# KiCad board woodpecker.kicad_pcb (continued)
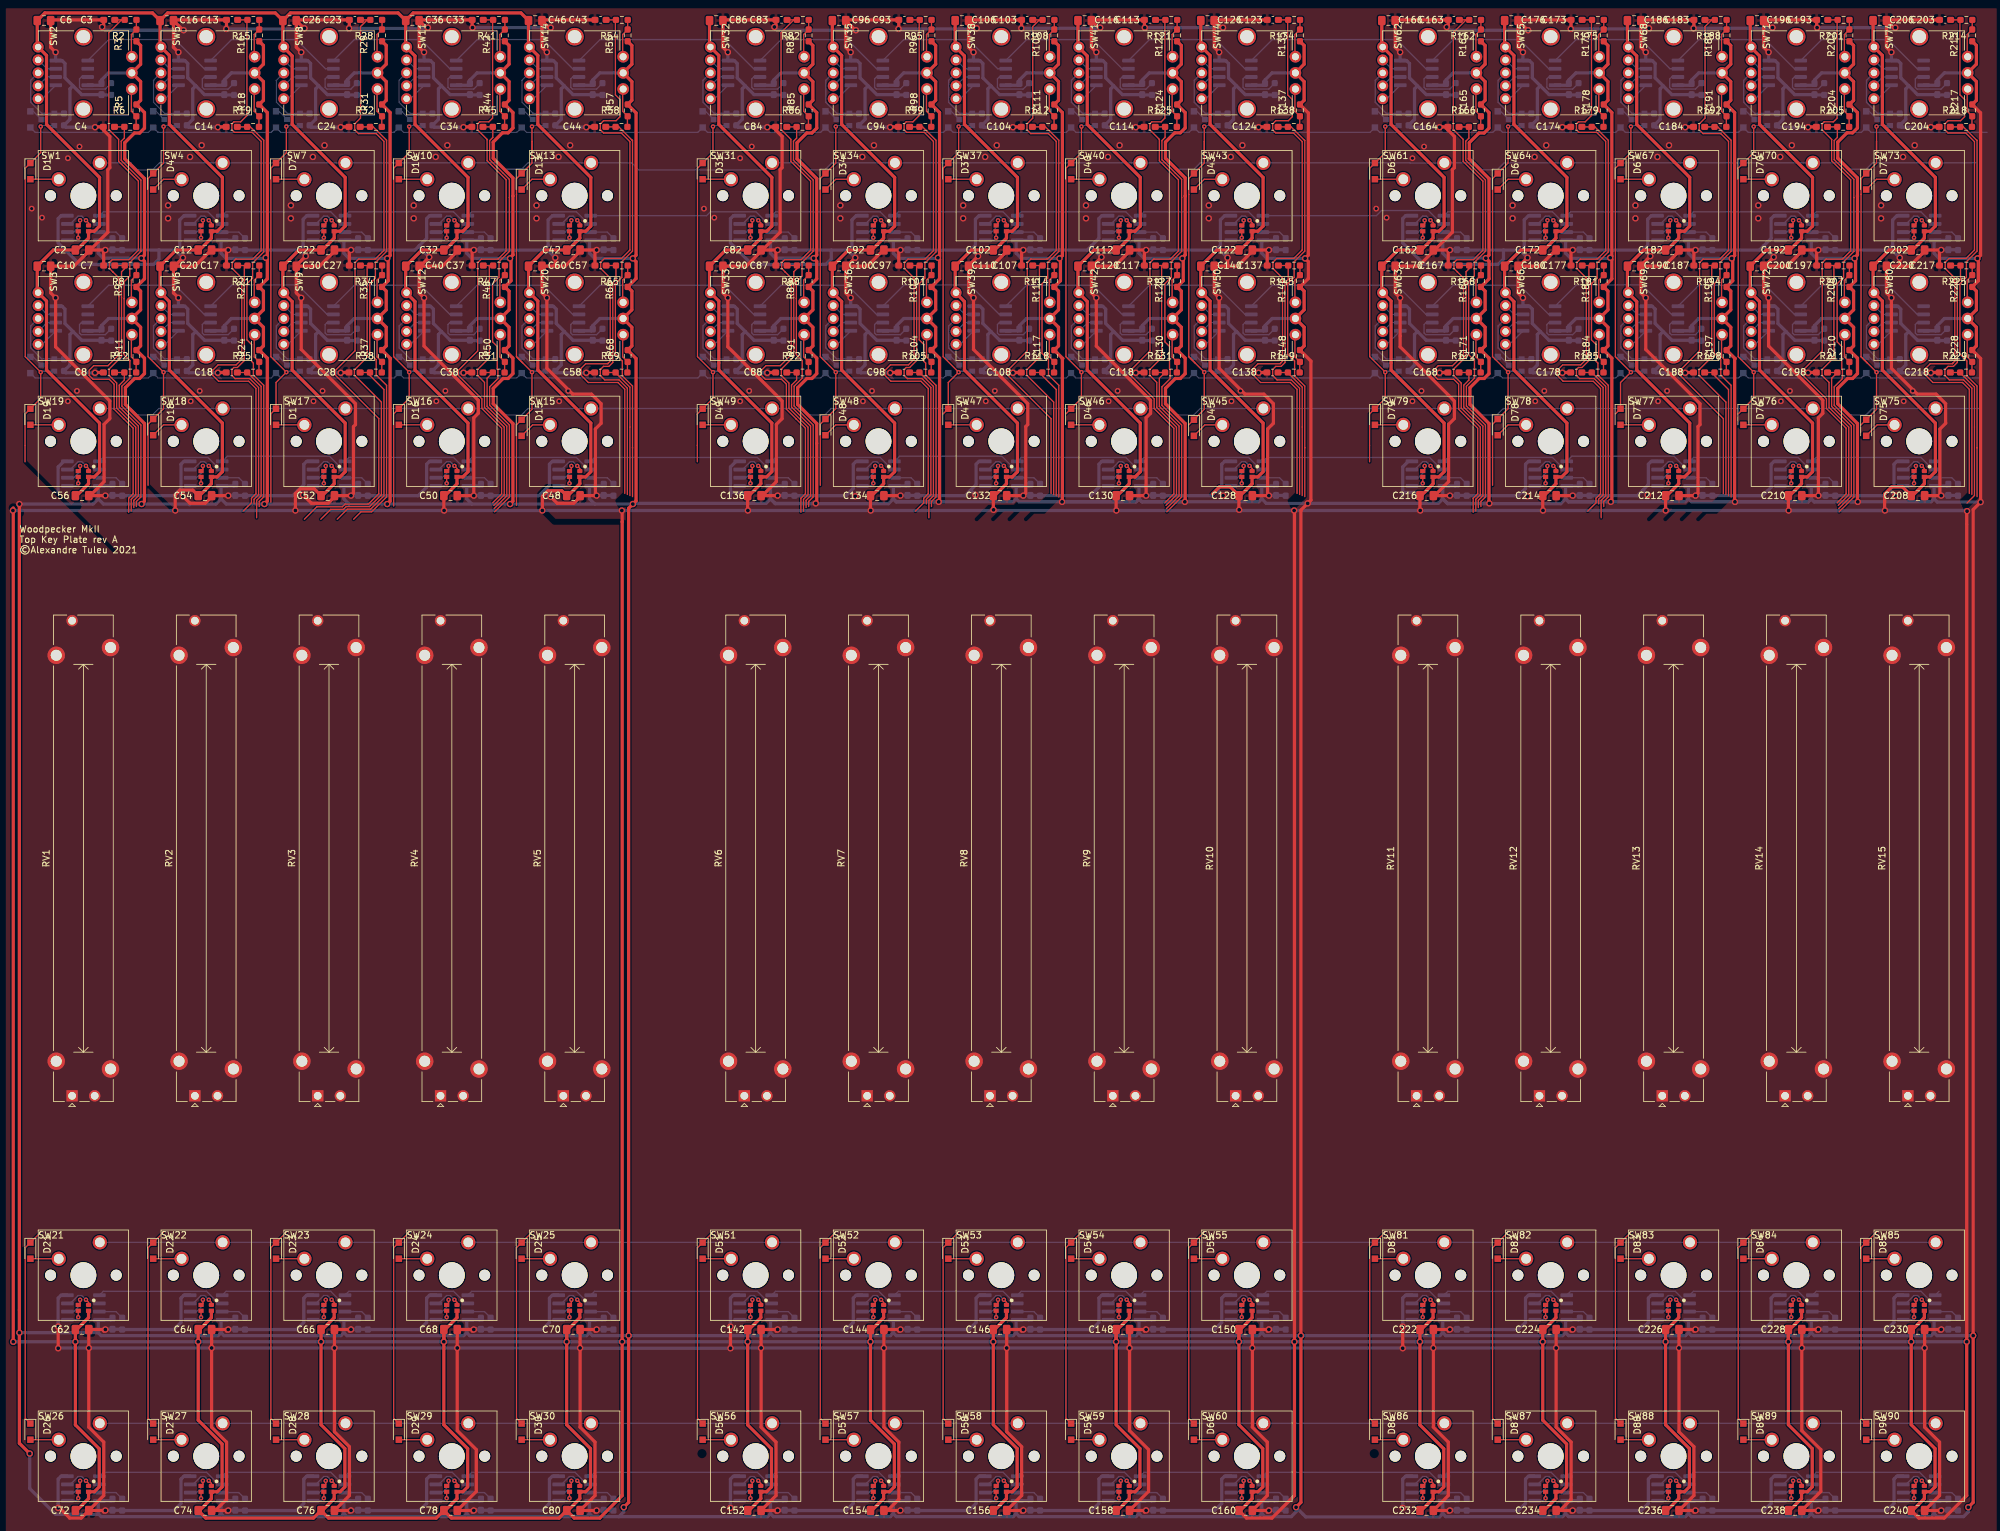
[diagram p0: board, top side]
## Routing (per net, layer and track width the routed paths; a pad name or vN(x,y) marks a point on that pad's centre or on a via; arc(x,y) is an arc through that point) (continued)
Net-(R14-Pad1): length 3.9
  Bottom w0.2: U4.7 32.25,197.77 R14.1
Net-(R15-Pad1): length 6.1
  Top w0.2: SW5.B 34.62,224.98 34.62,228.34 R16.2 35.4,230.59 R15.1
Net-(R17-Pad1): length 8.1
  Bottom w0.2: U5.7 26.9,221.77 26.6,221.46 26.6,220.16 26.86,219.89 30.58,219.89 R17.1
Net-(R18-Pad2): length 6.2
  Top w0.2: R19.2 35.36,215.65 R18.2 34.62,216.46 34.62,219.82 SW5.A
Net-(R21-Pad1): length 6.1
  Top w0.2: SW6.B 34.62,186.98 34.62,190.34 R22.2 35.4,192.59 R21.1
Net-(R23-Pad1): length 8.1
  Bottom w0.2: U6.7 26.9,183.76 26.6,183.46 26.6,182.16 26.86,181.89 30.58,181.89 R23.1
Net-(R24-Pad2): length 6.2
  Top w0.2: R25.2 35.36,177.65 R24.2 34.62,178.46 34.62,181.82 SW6.A
Net-(R27-Pad1): length 3.9
  Bottom w0.2: U7.7 51.25,197.77 R27.1
Net-(R28-Pad1): length 6.1
  Top w0.2: R28.1 54.4,230.59 R29.2 53.62,228.34 53.62,224.98 SW8.B
Net-(R30-Pad1): length 8.1
  Bottom w0.2: U8.7 45.9,221.77 45.6,221.46 45.6,220.16 45.86,219.89 49.58,219.89 R30.1
Net-(R31-Pad2): length 6.2
  Top w0.2: SW8.A 53.62,219.82 53.62,216.46 R31.2 54.36,215.65 R32.2
Net-(R34-Pad1): length 6.1
  Top w0.2: R34.1 54.4,192.59 R35.2 53.62,190.34 53.62,186.98 SW9.B
Net-(R36-Pad1): length 8.1
  Bottom w0.2: R36.1 49.58,181.89 45.86,181.89 45.6,182.16 45.6,183.46 45.9,183.76 U9.7
Net-(R37-Pad2): length 6.2
  Top w0.2: SW9.A 53.62,181.82 53.62,178.46 R37.2 54.36,177.65 R38.2
Net-(R40-Pad1): length 3.9
  Bottom w0.2: R40.1 70.25,197.77 U10.7
Net-(R41-Pad1): length 6.1
  Top w0.2: R41.1 73.4,230.59 R42.2 72.62,228.34 72.62,224.98 SW11.B
Net-(R43-Pad1): length 8.1
  Bottom w0.2: U11.7 64.9,221.77 64.6,221.46 64.6,220.16 64.86,219.89 68.58,219.89 R43.1
Net-(R44-Pad2): length 6.2
  Top w0.2: SW11.A 72.62,219.82 72.62,216.46 R44.2 73.36,215.65 R45.2
Net-(R47-Pad1): length 6.1
  Top w0.2: SW12.B 72.62,186.98 72.62,190.34 R48.2 73.4,192.59 R47.1
Net-(R49-Pad1): length 8.1
  Bottom w0.2: U12.7 64.9,183.76 64.6,183.46 64.6,182.16 64.86,181.89 68.58,181.89 R49.1
Net-(R50-Pad2): length 6.2
  Top w0.2: R51.2 73.36,177.65 R50.2 72.62,178.46 72.62,181.82 SW12.A
Net-(R53-Pad1): length 3.9
  Bottom w0.2: R53.1 89.25,197.77 U13.7
Net-(R54-Pad1): length 6.1
  Top w0.2: R54.1 92.4,230.59 R55.2 91.62,228.34 91.62,224.98 SW14.B
Net-(R56-Pad1): length 8.1
  Bottom w0.2: U14.7 83.9,221.77 83.6,221.46 83.6,220.16 83.86,219.89 87.58,219.89 R56.1
Net-(R57-Pad2): length 6.2
  Top w0.2: SW14.A 91.62,219.82 91.62,216.46 R57.2 92.36,215.65 R58.2
Net-(R60-Pad1): length 3.9
  Bottom w0.2: R60.1 89.25,159.76 U15.7
Net-(R61-Pad1): length 3.9
  Bottom w0.2: U16.7 70.25,159.76 R61.1
Net-(R62-Pad1): length 3.9
  Bottom w0.2: U17.7 51.25,159.76 R62.1
Net-(R63-Pad1): length 3.9
  Bottom w0.2: R63.1 32.25,159.76 U18.7
Net-(R64-Pad1): length 3.9
  Bottom w0.2: R64.1 13.25,159.76 U19.7
Net-(R65-Pad1): length 6.1
  Top w0.2: SW20.B 91.62,186.98 91.62,190.34 R66.2 92.4,192.59 R65.1
Net-(R67-Pad1): length 8.1
  Bottom w0.2: R67.1 87.58,181.89 83.86,181.89 83.6,182.16 83.6,183.46 83.9,183.76 U20.7
Net-(R68-Pad2): length 6.2
  Top w0.2: SW20.A 91.62,181.82 91.62,178.46 R68.2 92.36,177.65 R69.2
Net-(R71-Pad1): length 3.9
  Bottom w0.2: R71.1 13.25,30.77 U21.7
Net-(R72-Pad1): length 3.9
  Bottom w0.2: R72.1 32.25,30.77 U22.7
Net-(R73-Pad1): length 3.9
  Bottom w0.2: R73.1 51.25,30.77 U23.7
Net-(R74-Pad1): length 3.9
  Bottom w0.2: R74.1 70.25,30.77 U24.7
Net-(R75-Pad1): length 3.9
  Bottom w0.2: R75.1 89.25,30.77 U25.7
Net-(R76-Pad1): length 3.9
  Bottom w0.2: R76.1 13.25,2.77 U26.7
Net-(R77-Pad1): length 3.9
  Bottom w0.2: R77.1 32.25,2.77 U27.7
Net-(R78-Pad1): length 3.9
  Bottom w0.2: R78.1 51.25,2.77 U28.7
Net-(R79-Pad1): length 3.9
  Bottom w0.2: R79.1 70.25,2.77 U29.7
Net-(R80-Pad1): length 3.9
  Bottom w0.2: R80.1 89.25,2.77 U30.7
Net-(R81-Pad1): length 3.9
  Bottom w0.2: R81.1 117.25,197.77 U31.7
Net-(R82-Pad1): length 6.1
  Top w0.2: R82.1 120.4,230.59 R83.2 119.62,228.34 119.62,224.98 SW32.B
Net-(R84-Pad1): length 8.1
  Bottom w0.2: 112.88,221.77 111.9,221.77 111.6,221.46 111.6,220.16 111.86,219.89 115.58,219.89 R84.1
Net-(R85-Pad2): length 6.2
  Top w0.2: R86.2 120.36,215.65 R85.2 119.62,216.46 119.62,219.82 SW32.A
Net-(R88-Pad1): length 6.1
  Top w0.2: R88.1 120.4,192.59 R89.2 119.62,190.34 119.62,186.98 SW33.B
Net-(R90-Pad1): length 8.1
  Bottom w0.2: 112.88,183.76 111.9,183.76 111.6,183.46 111.6,182.16 111.86,181.89 115.58,181.89 R90.1
Net-(R91-Pad2): length 6.2
  Top w0.2: R92.2 120.36,177.65 R91.2 119.62,178.46 119.62,181.82 SW33.A
Net-(R94-Pad1): length 3.9
  Bottom w0.2: R94.1 136.25,197.77 U34.7
Net-(R95-Pad1): length 6.1
  Top w0.2: R95.1 139.4,230.59 R96.2 138.62,228.34 138.62,224.98 SW35.B
Net-(R97-Pad1): length 8.1
  Bottom w0.2: 131.88,221.77 130.9,221.77 130.6,221.46 130.6,220.16 130.86,219.89 134.58,219.89 R97.1
Net-(R98-Pad2): length 6.2
  Top w0.2: R99.2 139.36,215.65 R98.2 138.62,216.46 138.62,219.82 SW35.A
Net-(R101-Pad1): length 6.1
  Top w0.2: R101.1 139.4,192.59 R102.2 138.62,190.34 138.62,186.98 SW36.B
Net-(R103-Pad1): length 8.1
  Bottom w0.2: 131.88,183.76 130.9,183.76 130.6,183.46 130.6,182.16 130.86,181.89 134.58,181.89 R103.1
Net-(R104-Pad2): length 6.2
  Top w0.2: R105.2 139.36,177.65 R104.2 138.62,178.46 138.62,181.82 SW36.A
Net-(R107-Pad1): length 3.9
  Bottom w0.2: R107.1 155.25,197.77 U37.7
Net-(R108-Pad1): length 6.1
  Top w0.2: R108.1 158.4,230.59 R109.2 157.62,228.34 157.62,224.98 SW38.B
Net-(R110-Pad1): length 8.1
  Bottom w0.2: 150.88,221.77 149.9,221.77 149.6,221.46 149.6,220.16 149.86,219.89 153.58,219.89 R110.1
Net-(R111-Pad2): length 6.2
  Top w0.2: R112.2 158.36,215.65 R111.2 157.62,216.46 157.62,219.82 SW38.A
Net-(R114-Pad1): length 6.1
  Top w0.2: R114.1 158.4,192.59 R115.2 157.62,190.34 157.62,186.98 SW39.B
Net-(R116-Pad1): length 8.1
  Bottom w0.2: 150.88,183.76 149.9,183.76 149.6,183.46 149.6,182.16 149.86,181.89 153.58,181.89 R116.1
Net-(R117-Pad2): length 6.2
  Top w0.2: R118.2 158.36,177.65 R117.2 157.62,178.46 157.62,181.82 SW39.A
Net-(R120-Pad1): length 3.9
  Bottom w0.2: R120.1 174.25,197.77 U40.7
Net-(R121-Pad1): length 6.1
  Top w0.2: R121.1 177.4,230.59 R122.2 176.62,228.34 176.62,224.98 SW41.B
Net-(R123-Pad1): length 8.1
  Bottom w0.2: 169.88,221.77 168.9,221.77 168.6,221.46 168.6,220.16 168.86,219.89 172.58,219.89 R123.1
Net-(R124-Pad2): length 6.2
  Top w0.2: R125.2 177.36,215.65 R124.2 176.62,216.46 176.62,219.82 SW41.A
Net-(R127-Pad1): length 6.1
  Top w0.2: R127.1 177.4,192.59 R128.2 176.62,190.34 176.62,186.98 SW42.B
Net-(R129-Pad1): length 8.1
  Bottom w0.2: 169.88,183.76 168.9,183.76 168.6,183.46 168.6,182.16 168.86,181.89 172.58,181.89 R129.1
Net-(R130-Pad2): length 6.2
  Top w0.2: R131.2 177.36,177.65 R130.2 176.62,178.46 176.62,181.82 SW42.A
Net-(R133-Pad1): length 3.9
  Bottom w0.2: R133.1 193.25,197.77 U43.7
Net-(R134-Pad1): length 6.1
  Top w0.2: R134.1 196.4,230.59 R135.2 195.62,228.34 195.62,224.98 SW44.B
Net-(R136-Pad1): length 8.1
  Bottom w0.2: 188.88,221.77 187.9,221.77 187.6,221.46 187.6,220.16 187.86,219.89 191.58,219.89 R136.1
Net-(R137-Pad2): length 6.2
  Top w0.2: R138.2 196.36,215.65 R137.2 195.62,216.46 195.62,219.82 SW44.A
Net-(R140-Pad1): length 3.9
  Bottom w0.2: R140.1 193.25,159.76 U45.7
Net-(R141-Pad1): length 3.9
  Bottom w0.2: R141.1 174.25,159.76 U46.7
Net-(R142-Pad1): length 3.9
  Bottom w0.2: R142.1 155.25,159.76 U47.7
Net-(R143-Pad1): length 3.9
  Bottom w0.2: R143.1 136.25,159.76 U48.7
Net-(R144-Pad1): length 3.9
  Bottom w0.2: R144.1 117.25,159.76 U49.7
Net-(R145-Pad1): length 6.1
  Top w0.2: R145.1 196.4,192.59 R146.2 195.62,190.34 195.62,186.98 SW50.B
Net-(R147-Pad1): length 8.1
  Bottom w0.2: 188.88,183.76 187.9,183.76 187.6,183.46 187.6,182.16 187.86,181.89 191.58,181.89 R147.1
Net-(R148-Pad2): length 6.2
  Top w0.2: R149.2 196.36,177.65 R148.2 195.62,178.46 195.62,181.82 SW50.A
Net-(R151-Pad1): length 3.9
  Bottom w0.2: R151.1 117.25,30.77 U51.7
Net-(R152-Pad1): length 3.9
  Bottom w0.2: R152.1 136.25,30.77 U52.7
Net-(R153-Pad1): length 3.9
  Bottom w0.2: R153.1 155.25,30.77 U53.7
Net-(R154-Pad1): length 3.9
  Bottom w0.2: R154.1 174.25,30.77 U54.7
Net-(R155-Pad1): length 3.9
  Bottom w0.2: R155.1 193.25,30.77 U55.7
Net-(R156-Pad1): length 3.9
  Bottom w0.2: R156.1 117.25,2.77 U56.7
Net-(R157-Pad1): length 3.9
  Bottom w0.2: R157.1 136.25,2.77 U57.7
Net-(R158-Pad1): length 3.9
  Bottom w0.2: R158.1 155.25,2.77 U58.7
Net-(R159-Pad1): length 3.9
  Bottom w0.2: R159.1 174.25,2.77 U59.7
Net-(R160-Pad1): length 3.9
  Bottom w0.2: R160.1 193.25,2.77 U60.7
Net-(R161-Pad1): length 3.9
  Bottom w0.2: R161.1 221.25,197.77 U61.7
Net-(R162-Pad1): length 6.1
  Top w0.2: R162.1 224.4,230.59 R163.2 223.62,228.34 223.62,224.98 SW62.B
Net-(R164-Pad1): length 8.1
  Bottom w0.2: 216.88,221.77 215.9,221.77 215.6,221.46 215.6,220.16 215.86,219.89 219.58,219.89 R164.1
Net-(R165-Pad2): length 6.2
  Top w0.2: R166.2 224.36,215.65 R165.2 223.62,216.46 223.62,219.82 SW62.A
Net-(R168-Pad1): length 6.1
  Top w0.2: R168.1 224.4,192.59 R169.2 223.62,190.34 223.62,186.98 SW63.B
Net-(R170-Pad1): length 8.1
  Bottom w0.2: 216.88,183.76 215.9,183.76 215.6,183.46 215.6,182.16 215.86,181.89 219.58,181.89 R170.1
Net-(R171-Pad2): length 6.2
  Top w0.2: R172.2 224.36,177.65 R171.2 223.62,178.46 223.62,181.82 SW63.A
Net-(R174-Pad1): length 3.9
  Bottom w0.2: R174.1 240.25,197.77 U64.7
Net-(R175-Pad1): length 6.1
  Top w0.2: R175.1 243.4,230.59 R176.2 242.62,228.34 242.62,224.98 SW65.B
Net-(R177-Pad1): length 8.1
  Bottom w0.2: U65.7 234.9,221.77 234.6,221.46 234.6,220.16 234.86,219.89 238.58,219.89 R177.1
Net-(R178-Pad2): length 6.2
  Top w0.2: R179.2 243.36,215.65 R178.2 242.62,216.46 242.62,219.82 SW65.A
Net-(R181-Pad1): length 6.1
  Top w0.2: R181.1 243.4,192.59 R182.2 242.62,190.34 242.62,186.98 SW66.B
Net-(R183-Pad1): length 8.1
  Bottom w0.2: U66.7 234.9,183.76 234.6,183.46 234.6,182.16 234.86,181.89 238.58,181.89 R183.1
Net-(R184-Pad2): length 6.2
  Top w0.2: R185.2 243.36,177.65 R184.2 242.62,178.46 242.62,181.82 SW66.A
Net-(R187-Pad1): length 3.9
  Bottom w0.2: R187.1 259.25,197.77 U67.7
Net-(R188-Pad1): length 6.1
  Top w0.2: R188.1 262.4,230.59 R189.2 261.62,228.34 261.62,224.98 SW68.B
Net-(R190-Pad1): length 8.1
  Bottom w0.2: U68.7 253.9,221.77 253.6,221.46 253.6,220.16 253.86,219.89 257.58,219.89 R190.1
Net-(R191-Pad2): length 6.2
  Top w0.2: R192.2 262.36,215.65 R191.2 261.62,216.46 261.62,219.82 SW68.A
Net-(R194-Pad1): length 6.1
  Top w0.2: R194.1 262.4,192.59 R195.2 261.62,190.34 261.62,186.98 SW69.B
Net-(R196-Pad1): length 8.1
  Bottom w0.2: U69.7 253.9,183.76 253.6,183.46 253.6,182.16 253.86,181.89 257.58,181.89 R196.1
Net-(R197-Pad2): length 6.2
  Top w0.2: R198.2 262.36,177.65 R197.2 261.62,178.46 261.62,181.82 SW69.A
Net-(R200-Pad1): length 3.9
  Bottom w0.2: R200.1 278.25,197.77 U70.7
Net-(R201-Pad1): length 6.1
  Top w0.2: R201.1 281.4,230.59 R202.2 280.62,228.34 280.62,224.98 SW71.B
Net-(R203-Pad1): length 8.1
  Bottom w0.2: U71.7 272.9,221.77 272.6,221.46 272.6,220.16 272.86,219.89 276.58,219.89 R203.1
Net-(R204-Pad2): length 6.2
  Top w0.2: R205.2 281.36,215.65 R204.2 280.62,216.46 280.62,219.82 SW71.A
Net-(R207-Pad1): length 6.1
  Top w0.2: R207.1 281.4,192.59 R208.2 280.62,190.34 280.62,186.98 SW72.B
Net-(R209-Pad1): length 8.1
  Bottom w0.2: U72.7 272.9,183.76 272.6,183.46 272.6,182.16 272.86,181.89 276.58,181.89 R209.1
Net-(R210-Pad2): length 6.2
  Top w0.2: R211.2 281.36,177.65 R210.2 280.62,178.46 280.62,181.82 SW72.A
Net-(R213-Pad1): length 3.9
  Bottom w0.2: R213.1 297.25,197.77 U73.7
Net-(R214-Pad1): length 6.1
  Top w0.2: R214.1 300.4,230.59 R215.2 299.62,228.34 299.62,224.98 SW74.B
Net-(R216-Pad1): length 8.1
  Bottom w0.2: U74.7 291.9,221.77 291.6,221.46 291.6,220.16 291.86,219.89 295.58,219.89 R216.1
Net-(R217-Pad2): length 6.2
  Top w0.2: R218.2 300.36,215.65 R217.2 299.62,216.46 299.62,219.82 SW74.A
Net-(R220-Pad1): length 3.9
  Bottom w0.2: R220.1 297.25,159.76 U75.7
Net-(R221-Pad1): length 3.9
  Bottom w0.2: R221.1 278.25,159.76 U76.7
Net-(R222-Pad1): length 3.9
  Bottom w0.2: R222.1 259.25,159.76 U77.7
Net-(R223-Pad1): length 3.9
  Bottom w0.2: R223.1 240.25,159.76 U78.7
Net-(R224-Pad1): length 3.9
  Bottom w0.2: R224.1 221.25,159.76 U79.7
Net-(R225-Pad1): length 6.1
  Top w0.2: R225.1 300.4,192.59 R226.2 299.62,190.34 299.62,186.98 SW80.B
Net-(R227-Pad1): length 8.1
  Bottom w0.2: U80.7 291.9,183.76 291.6,183.46 291.6,182.16 291.86,181.89 295.58,181.89 R227.1
Net-(R228-Pad2): length 6.2
  Top w0.2: R229.2 300.36,177.65 R228.2 299.62,178.46 299.62,181.82 SW80.A
Net-(R231-Pad1): length 3.9
  Bottom w0.2: R231.1 221.25,30.77 U81.7
Net-(R232-Pad1): length 3.9
  Bottom w0.2: R232.1 240.25,30.77 U82.7
Net-(R233-Pad1): length 3.9
  Bottom w0.2: R233.1 259.25,30.77 U83.7
Net-(R234-Pad1): length 3.9
  Bottom w0.2: R234.1 278.25,30.77 U84.7
Net-(R235-Pad1): length 3.9
  Bottom w0.2: R235.1 297.25,30.77 U85.7
Net-(R236-Pad1): length 3.9
  Bottom w0.2: R236.1 221.25,2.77 U86.7
Net-(R237-Pad1): length 3.9
  Bottom w0.2: R237.1 240.25,2.77 U87.7
Net-(R238-Pad1): length 3.9
  Bottom w0.2: R238.1 259.25,2.77 U88.7
Net-(R239-Pad1): length 3.9
  Bottom w0.2: R239.1 278.25,2.77 U89.7
Net-(R240-Pad1): length 3.9
  Bottom w0.2: R240.1 297.25,2.77 U90.7
Net-(SW1-Pad1): length 4.6
  Top w0.2: v3(8.6,199.6) 9,199.2 SW1.1
  Bottom w0.2: U1.3 6.17,199.03 7.39,200.25 7.95,200.25 v3(8.6,199.6)
Net-(SW1-Pad2): length 4.1
  Top w0.2: SW1.2 7.69,199.09 v3(7.69,199.59)
  Bottom w0.2: U1.2 6.7,197.77 7.69,198.75 v3(7.69,199.59)
Net-(SW1-Pad4): length 2.8
  Top w0.2: v3(7.4,196.9) SW1.4
  Bottom w0.2: v3(7.4,196.9) 7,196.5 U1.1
Net-(SW2-Pad1): length 3.6
  Bottom w0.2: U2.1 1.83,218.4 SW2.1
Net-(SW2-Pad2): length 3.3
  Bottom w0.2: SW2.2 2.57,221.77 U2.2
Net-(SW2-Pad4): length 3.3
  Bottom w0.2: U2.3 2.57,223.03 SW2.4
Net-(SW3-Pad1): length 3.6
  Bottom w0.2: SW3.1 1.83,180.4 U3.1
Net-(SW3-Pad2): length 3.3
  Bottom w0.2: SW3.2 2.57,183.76 U3.2
Net-(SW3-Pad4): length 3.3
  Bottom w0.2: SW3.4 2.57,185.04 U3.3
Net-(SW4-Pad1): length 4.6
  Top w0.2: v3(27.6,199.6) 28,199.2 SW4.1
  Bottom w0.2: v3(27.6,199.6) 26.95,200.25 26.39,200.25 25.17,199.03 U4.3
Net-(SW4-Pad2): length 4.1
  Top w0.2: SW4.2 26.69,199.09 v3(26.69,199.59)
  Bottom w0.2: v3(26.69,199.59) 26.69,198.75 25.7,197.77 U4.2
Net-(SW4-Pad4): length 2.8
  Top w0.2: v3(26.4,196.9) SW4.4
  Bottom w0.2: v3(26.4,196.9) 26,196.5 U4.1
Net-(SW5-Pad1): length 3.6
  Bottom w0.2: SW5.1 20.83,218.4 U5.1
Net-(SW5-Pad2): length 3.3
  Bottom w0.2: U5.2 21.57,221.77 SW5.2
Net-(SW5-Pad4): length 3.3
  Bottom w0.2: SW5.4 21.57,223.03 U5.3
Net-(SW6-Pad1): length 3.6
  Bottom w0.2: SW6.1 20.83,180.4 U6.1
Net-(SW6-Pad2): length 3.3
  Bottom w0.2: U6.2 21.57,183.76 SW6.2
Net-(SW6-Pad4): length 3.3
  Bottom w0.2: U6.3 21.57,185.04 SW6.4
Net-(SW7-Pad1): length 4.6
  Top w0.2: SW7.1 47,199.2 v3(46.6,199.6)
  Bottom w0.2: v3(46.6,199.6) 45.95,200.25 45.39,200.25 44.17,199.03 U7.3
Net-(SW7-Pad2): length 4.1
  Top w0.2: v3(45.69,199.59) 45.69,199.09 SW7.2
  Bottom w0.2: U7.2 44.7,197.77 45.69,198.75 v3(45.69,199.59)
Net-(SW7-Pad4): length 2.8
  Top w0.2: v3(45.4,196.9) SW7.4
  Bottom w0.2: U7.1 45,196.5 v3(45.4,196.9)
Net-(SW8-Pad1): length 3.6
  Bottom w0.2: 41.92,220.5 39.83,218.4 SW8.1
Net-(SW8-Pad2): length 3.3
  Bottom w0.2: SW8.2 40.56,221.77 41.92,221.77
Net-(SW8-Pad4): length 3.3
  Bottom w0.2: SW8.4 40.56,223.03 41.92,223.03
Net-(SW9-Pad1): length 3.6
  Bottom w0.2: 41.92,182.5 39.83,180.4 SW9.1
Net-(SW9-Pad2): length 3.3
  Bottom w0.2: 41.92,183.76 40.56,183.76 SW9.2
Net-(SW9-Pad4): length 3.3
  Bottom w0.2: SW9.4 40.56,185.04 41.92,185.04
Net-(SW10-Pad1): length 4.6
  Top w0.2: v3(65.6,199.6) 66,199.2 SW10.1
  Bottom w0.2: U10.3 63.17,199.03 64.39,200.25 64.95,200.25 v3(65.6,199.6)
Net-(SW10-Pad2): length 4.1
  Top w0.2: v3(64.69,199.59) 64.69,199.09 SW10.2
  Bottom w0.2: v3(64.69,199.59) 64.69,198.75 63.7,197.77 U10.2
Net-(SW10-Pad4): length 2.8
  Top w0.2: v3(64.4,196.9) SW10.4
  Bottom w0.2: U10.1 64,196.5 v3(64.4,196.9)
Net-(SW11-Pad1): length 3.6
  Bottom w0.2: 60.92,220.5 58.83,218.4 SW11.1
Net-(SW11-Pad2): length 3.3
  Bottom w0.2: SW11.2 59.56,221.77 60.92,221.77
Net-(SW11-Pad4): length 3.3
  Bottom w0.2: SW11.4 59.56,223.03 60.92,223.03
Net-(SW12-Pad1): length 3.6
  Bottom w0.2: SW12.1 58.83,180.4 60.92,182.5
Net-(SW12-Pad2): length 3.3
  Bottom w0.2: 60.92,183.76 59.56,183.76 SW12.2
Net-(SW12-Pad4): length 3.3
  Bottom w0.2: 60.92,185.04 59.56,185.04 SW12.4
Net-(SW13-Pad1): length 4.6
  Top w0.2: SW13.1 85,199.2 v3(84.6,199.6)
  Bottom w0.2: U13.3 82.17,199.03 83.39,200.25 83.95,200.25 v3(84.6,199.6)
Net-(SW13-Pad2): length 4.1
  Top w0.2: v3(83.69,199.59) 83.69,199.09 SW13.2
  Bottom w0.2: v3(83.69,199.59) 83.69,198.75 82.7,197.77 U13.2
Net-(SW13-Pad4): length 2.8
  Top w0.2: v3(83.4,196.9) SW13.4
  Bottom w0.2: U13.1 83,196.5 v3(83.4,196.9)
Net-(SW14-Pad1): length 3.6
  Bottom w0.2: 79.92,220.5 77.83,218.4 SW14.1
Net-(SW14-Pad2): length 3.3
  Bottom w0.2: 79.92,221.77 78.56,221.77 SW14.2
Net-(SW14-Pad4): length 3.3
  Bottom w0.2: 79.92,223.03 78.56,223.03 SW14.4
Net-(SW15-Pad1): length 4.6
  Top w0.2: SW15.1 85,161.2 v3(84.6,161.6)
  Bottom w0.2: v3(84.6,161.6) 83.95,162.25 83.39,162.25 82.17,161.04 U15.3
Net-(SW15-Pad2): length 4.1
  Top w0.2: v3(83.69,161.59) 83.69,161.09 SW15.2
  Bottom w0.2: v3(83.69,161.59) 83.69,160.75 82.7,159.76 U15.2
Net-(SW15-Pad4): length 2.8
  Top w0.2: v3(83.4,158.9) SW15.4
  Bottom w0.2: v3(83.4,158.9) 83,158.5 U15.1
Net-(SW16-Pad1): length 4.6
  Top w0.2: SW16.1 66,161.2 v3(65.6,161.6)
  Bottom w0.2: U16.3 63.17,161.04 64.39,162.25 64.95,162.25 v3(65.6,161.6)
Net-(SW16-Pad2): length 4.1
  Top w0.2: v3(64.69,161.59) 64.69,161.09 SW16.2
  Bottom w0.2: U16.2 63.7,159.76 64.69,160.75 v3(64.69,161.59)
Net-(SW16-Pad4): length 2.8
  Top w0.2: v3(64.4,158.9) SW16.4
  Bottom w0.2: v3(64.4,158.9) 64,158.5 U16.1
Net-(SW17-Pad1): length 4.6
  Top w0.2: v3(46.6,161.6) 47,161.2 SW17.1
  Bottom w0.2: U17.3 44.17,161.04 45.39,162.25 45.95,162.25 v3(46.6,161.6)
Net-(SW17-Pad2): length 4.1
  Top w0.2: v3(45.69,161.59) 45.69,161.09 SW17.2
  Bottom w0.2: U17.2 44.7,159.76 45.69,160.75 v3(45.69,161.59)
Net-(SW17-Pad4): length 2.8
  Top w0.2: v3(45.4,158.9) SW17.4
  Bottom w0.2: U17.1 45,158.5 v3(45.4,158.9)
Net-(SW18-Pad1): length 4.6
  Top w0.2: SW18.1 28,161.2 v3(27.6,161.6)
  Bottom w0.2: U18.3 25.17,161.04 26.39,162.25 26.95,162.25 v3(27.6,161.6)
Net-(SW18-Pad2): length 4.1
  Top w0.2: SW18.2 26.69,161.09 v3(26.69,161.59)
  Bottom w0.2: U18.2 25.7,159.76 26.69,160.75 v3(26.69,161.59)
Net-(SW18-Pad4): length 2.8
  Top w0.2: v3(26.4,158.9) SW18.4
  Bottom w0.2: v3(26.4,158.9) 26,158.5 U18.1
Net-(SW19-Pad1): length 4.6
  Top w0.2: SW19.1 9,161.2 v3(8.6,161.6)
  Bottom w0.2: v3(8.6,161.6) 7.95,162.25 7.39,162.25 6.17,161.04 U19.3
Net-(SW19-Pad2): length 4.1
  Top w0.2: SW19.2 7.69,161.09 v3(7.69,161.59)
  Bottom w0.2: U19.2 6.7,159.76 7.69,160.75 v3(7.69,161.59)
Net-(SW19-Pad4): length 2.8
  Top w0.2: v3(7.4,158.9) SW19.4
  Bottom w0.2: U19.1 7,158.5 v3(7.4,158.9)
Net-(SW20-Pad1): length 3.6
  Bottom w0.2: SW20.1 77.83,180.4 79.92,182.5
Net-(SW20-Pad2): length 3.3
  Bottom w0.2: 79.92,183.76 78.56,183.76 SW20.2
Net-(SW20-Pad4): length 3.3
  Bottom w0.2: SW20.4 78.56,185.04 79.92,185.04
Net-(SW21-Pad1): length 4.6
  Top w0.2: v3(8.6,32.6) 9,32.2 SW21.1
  Bottom w0.2: U21.3 6.17,32.03 7.39,33.25 7.95,33.25 v3(8.6,32.6)
Net-(SW21-Pad2): length 4.1
  Top w0.2: SW21.2 7.69,32.09 v3(7.69,32.59)
  Bottom w0.2: U21.2 6.7,30.77 7.69,31.75 v3(7.69,32.59)
Net-(SW21-Pad4): length 2.8
  Top w0.2: v3(7.4,29.9) SW21.4
  Bottom w0.2: v3(7.4,29.9) 7,29.5 U21.1
Net-(SW22-Pad1): length 4.6
  Top w0.2: v3(27.6,32.6) 28,32.2 SW22.1
  Bottom w0.2: U22.3 25.17,32.03 26.39,33.25 26.95,33.25 v3(27.6,32.6)
Net-(SW22-Pad2): length 4.1
  Top w0.2: SW22.2 26.69,32.09 v3(26.69,32.59)
  Bottom w0.2: U22.2 25.7,30.77 26.69,31.75 v3(26.69,32.59)
Net-(SW22-Pad4): length 2.8
  Top w0.2: v3(26.4,29.9) SW22.4
  Bottom w0.2: v3(26.4,29.9) 26,29.5 U22.1
Net-(SW23-Pad1): length 4.6
  Top w0.2: v3(46.6,32.6) 47,32.2 SW23.1
  Bottom w0.2: U23.3 44.17,32.03 45.39,33.25 45.95,33.25 v3(46.6,32.6)
Net-(SW23-Pad2): length 4.1
  Top w0.2: SW23.2 45.69,32.09 v3(45.69,32.59)
  Bottom w0.2: U23.2 44.7,30.77 45.69,31.75 v3(45.69,32.59)
Net-(SW23-Pad4): length 2.8
  Top w0.2: v3(45.4,29.9) SW23.4
  Bottom w0.2: v3(45.4,29.9) 45,29.5 U23.1
Net-(SW24-Pad1): length 4.6
  Top w0.2: v3(65.6,32.6) 66,32.2 SW24.1
  Bottom w0.2: U24.3 63.17,32.03 64.39,33.25 64.95,33.25 v3(65.6,32.6)
Net-(SW24-Pad2): length 4.1
  Top w0.2: SW24.2 64.69,32.09 v3(64.69,32.59)
  Bottom w0.2: U24.2 63.7,30.77 64.69,31.75 v3(64.69,32.59)
Net-(SW24-Pad4): length 2.8
  Top w0.2: v3(64.4,29.9) SW24.4
  Bottom w0.2: v3(64.4,29.9) 64,29.5 U24.1
Net-(SW25-Pad1): length 4.6
  Top w0.2: v3(84.6,32.6) 85,32.2 SW25.1
  Bottom w0.2: U25.3 82.17,32.03 83.39,33.25 83.95,33.25 v3(84.6,32.6)
Net-(SW25-Pad2): length 4.1
  Top w0.2: SW25.2 83.69,32.09 v3(83.69,32.59)
  Bottom w0.2: U25.2 82.7,30.77 83.69,31.75 v3(83.69,32.59)
Net-(SW25-Pad4): length 2.8
  Top w0.2: v3(83.4,29.9) SW25.4
  Bottom w0.2: v3(83.4,29.9) 83,29.5 U25.1
Net-(SW26-Pad1): length 4.6
  Top w0.2: v3(8.6,4.6) 9,4.2 SW26.1
  Bottom w0.2: U26.3 6.17,4.03 7.39,5.25 7.95,5.25 v3(8.6,4.6)
Net-(SW26-Pad2): length 4.1
  Top w0.2: SW26.2 7.69,4.09 v3(7.69,4.59)
  Bottom w0.2: U26.2 6.7,2.77 7.69,3.75 v3(7.69,4.59)
Net-(SW26-Pad4): length 2.8
  Top w0.2: v3(7.4,1.9) SW26.4
  Bottom w0.2: v3(7.4,1.9) 7,1.5 U26.1
Net-(SW27-Pad1): length 4.6
  Top w0.2: v3(27.6,4.6) 28,4.2 SW27.1
  Bottom w0.2: U27.3 25.17,4.03 26.39,5.25 26.95,5.25 v3(27.6,4.6)
Net-(SW27-Pad2): length 4.1
  Top w0.2: SW27.2 26.69,4.09 v3(26.69,4.59)
  Bottom w0.2: U27.2 25.7,2.77 26.69,3.75 v3(26.69,4.59)
Net-(SW27-Pad4): length 2.8
  Top w0.2: v3(26.4,1.9) SW27.4
  Bottom w0.2: v3(26.4,1.9) 26,1.5 U27.1
Net-(SW28-Pad1): length 4.6
  Top w0.2: v3(46.6,4.6) 47,4.2 SW28.1
  Bottom w0.2: U28.3 44.17,4.03 45.39,5.25 45.95,5.25 v3(46.6,4.6)
Net-(SW28-Pad2): length 4.1
  Top w0.2: SW28.2 45.69,4.09 v3(45.69,4.59)
  Bottom w0.2: U28.2 44.7,2.77 45.69,3.75 v3(45.69,4.59)
Net-(SW28-Pad4): length 2.8
  Top w0.2: v3(45.4,1.9) SW28.4
  Bottom w0.2: v3(45.4,1.9) 45,1.5 U28.1
Net-(SW29-Pad1): length 4.6
  Top w0.2: v3(65.6,4.6) 66,4.2 SW29.1
  Bottom w0.2: U29.3 63.17,4.03 64.39,5.25 64.95,5.25 v3(65.6,4.6)
Net-(SW29-Pad2): length 4.1
  Top w0.2: SW29.2 64.69,4.09 v3(64.69,4.59)
  Bottom w0.2: U29.2 63.7,2.77 64.69,3.75 v3(64.69,4.59)
Net-(SW29-Pad4): length 2.8
  Top w0.2: v3(64.4,1.9) SW29.4
  Bottom w0.2: v3(64.4,1.9) 64,1.5 U29.1
Net-(SW30-Pad1): length 4.6
  Top w0.2: v3(84.6,4.6) 85,4.2 SW30.1
  Bottom w0.2: U30.3 82.17,4.03 83.39,5.25 83.95,5.25 v3(84.6,4.6)
Net-(SW30-Pad2): length 4.1
  Top w0.2: SW30.2 83.69,4.09 v3(83.69,4.59)
  Bottom w0.2: U30.2 82.7,2.77 83.69,3.75 v3(83.69,4.59)
Net-(SW30-Pad4): length 2.8
  Top w0.2: v3(83.4,1.9) SW30.4
  Bottom w0.2: v3(83.4,1.9) 83,1.5 U30.1
Net-(SW31-Pad1): length 4.6
  Top w0.2: v3(112.6,199.6) 113,199.2 SW31.1
  Bottom w0.2: U31.3 110.17,199.03 111.39,200.25 111.95,200.25 v3(112.6,199.6)
Net-(SW31-Pad2): length 4.1
  Top w0.2: SW31.2 111.69,199.09 v3(111.69,199.59)
  Bottom w0.2: U31.2 110.7,197.77 111.69,198.75 v3(111.69,199.59)
Net-(SW31-Pad4): length 2.8
  Top w0.2: v3(111.4,196.9) SW31.4
  Bottom w0.2: v3(111.4,196.9) 110.99,196.5 U31.1
Net-(SW32-Pad1): length 3.6
  Bottom w0.2: SW32.1 105.83,218.4 U32.1
Net-(SW32-Pad2): length 3.3
  Bottom w0.2: SW32.2 106.57,221.77 U32.2
Net-(SW32-Pad4): length 3.3
  Bottom w0.2: SW32.4 106.57,223.03 U32.3
Net-(SW33-Pad1): length 3.6
  Bottom w0.2: SW33.1 105.83,180.4 U33.1
Net-(SW33-Pad2): length 3.3
  Bottom w0.2: SW33.2 106.57,183.76 U33.2
Net-(SW33-Pad4): length 3.3
  Bottom w0.2: SW33.4 106.57,185.04 U33.3
Net-(SW34-Pad1): length 4.6
  Top w0.2: v3(131.6,199.6) 132,199.2 SW34.1
  Bottom w0.2: U34.3 129.17,199.03 130.39,200.25 130.95,200.25 v3(131.6,199.6)
Net-(SW34-Pad2): length 4.1
  Top w0.2: SW34.2 130.69,199.09 v3(130.69,199.59)
  Bottom w0.2: U34.2 129.7,197.77 130.69,198.75 v3(130.69,199.59)
Net-(SW34-Pad4): length 2.8
  Top w0.2: v3(130.4,196.9) SW34.4
  Bottom w0.2: v3(130.4,196.9) 129.99,196.5 U34.1
Net-(SW35-Pad1): length 3.6
  Bottom w0.2: SW35.1 124.83,218.4 U35.1
Net-(SW35-Pad2): length 3.3
  Bottom w0.2: SW35.2 125.57,221.77 U35.2
Net-(SW35-Pad4): length 3.3
  Bottom w0.2: SW35.4 125.57,223.03 U35.3
Net-(SW36-Pad1): length 3.6
  Bottom w0.2: SW36.1 124.83,180.4 U36.1
Net-(SW36-Pad2): length 3.3
  Bottom w0.2: SW36.2 125.57,183.76 U36.2
Net-(SW36-Pad4): length 3.3
  Bottom w0.2: SW36.4 125.57,185.04 U36.3
Net-(SW37-Pad1): length 4.6
  Top w0.2: v3(150.6,199.6) 151,199.2 SW37.1
  Bottom w0.2: U37.3 148.17,199.03 149.39,200.25 149.95,200.25 v3(150.6,199.6)
Net-(SW37-Pad2): length 4.1
  Top w0.2: SW37.2 149.69,199.09 v3(149.69,199.59)
  Bottom w0.2: U37.2 148.7,197.77 149.69,198.75 v3(149.69,199.59)
Net-(SW37-Pad4): length 2.8
  Top w0.2: v3(149.4,196.9) SW37.4
  Bottom w0.2: v3(149.4,196.9) 148.99,196.5 U37.1
Net-(SW38-Pad1): length 3.6
  Bottom w0.2: SW38.1 143.83,218.4 U38.1
Net-(SW38-Pad2): length 3.3
  Bottom w0.2: SW38.2 144.56,221.77 U38.2
